# KiCad board ADHW.kicad_pcb
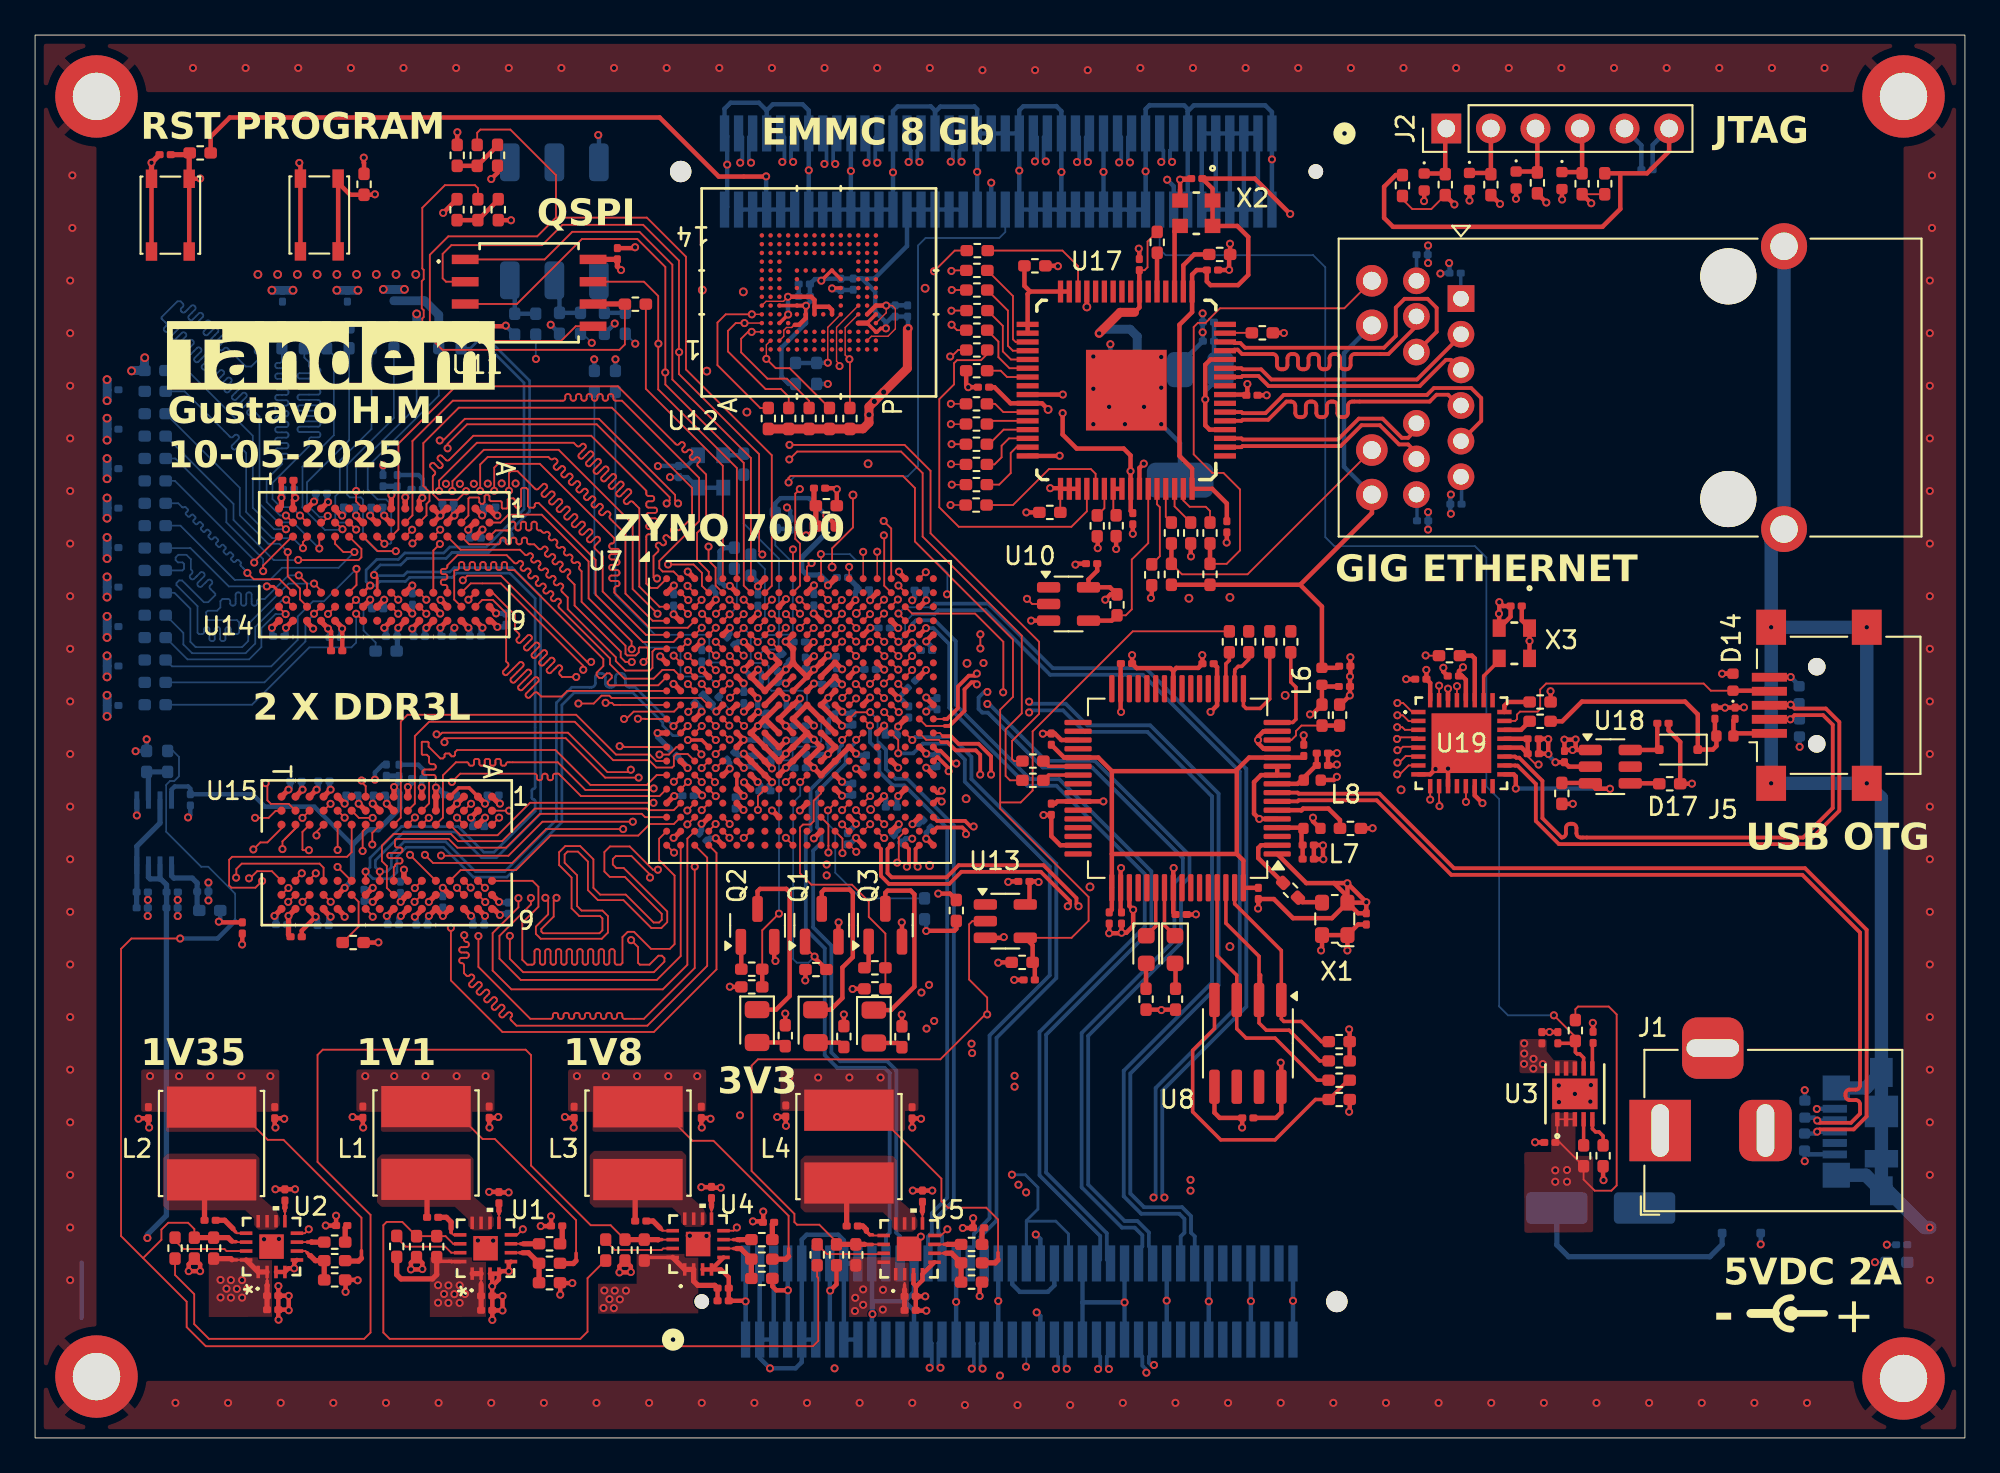
[diagram p0: board, top side]
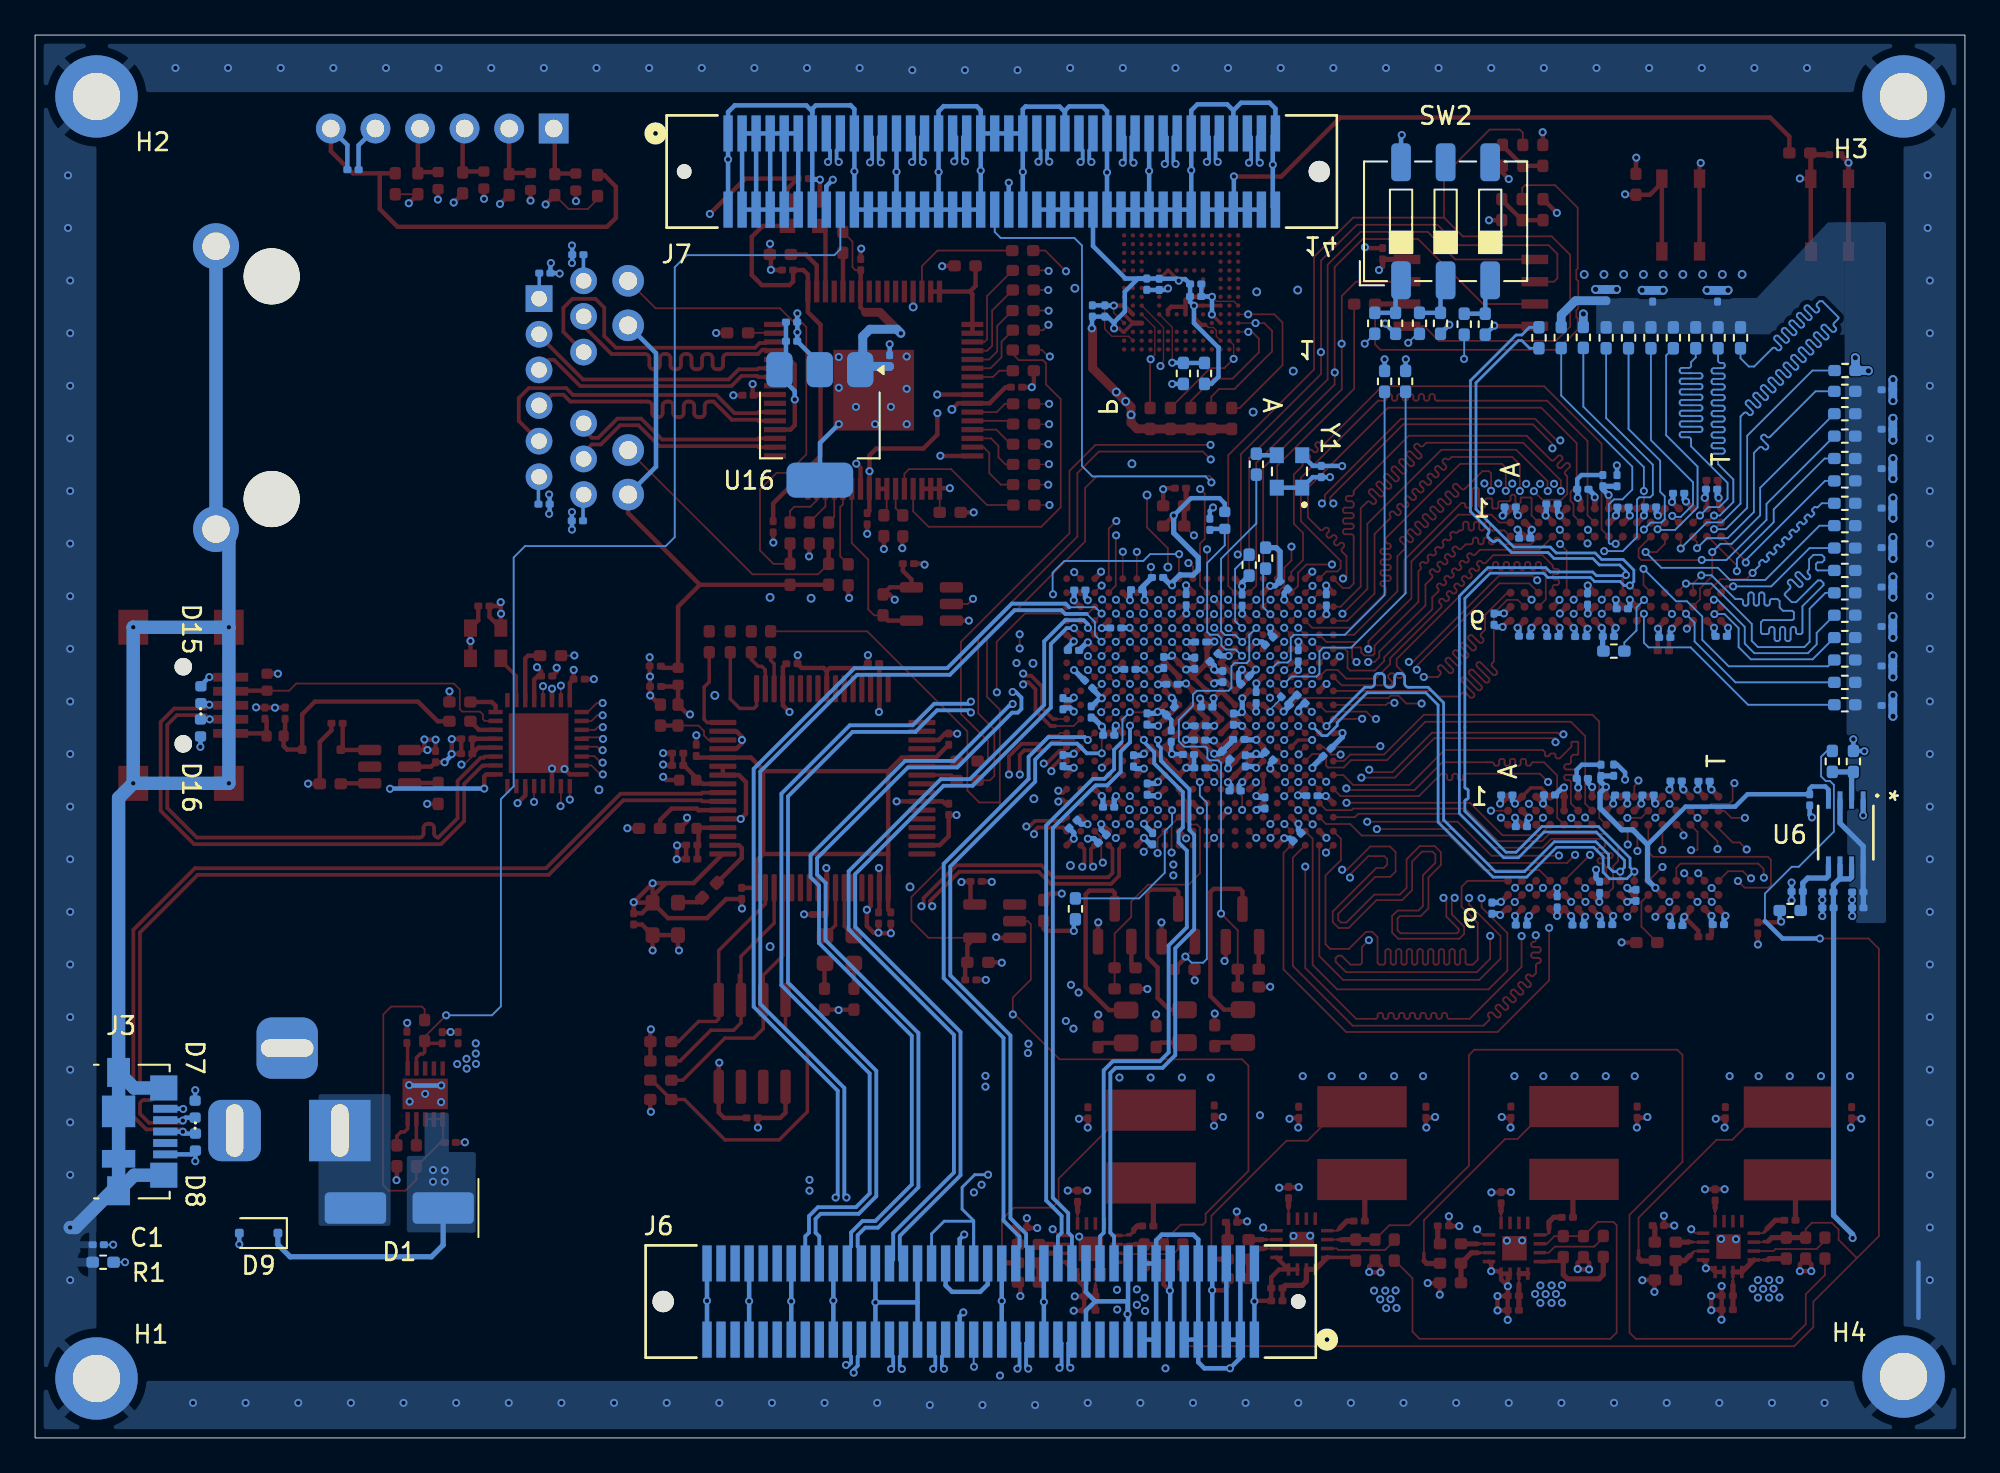
[diagram p1: board, bottom side, seen from below]

Outline 110 x 80 mm; copper layers: Top, In1.Cu, In2.Cu, In3.Cu, In4.Cu, In5.Cu, In6.Cu, In7.Cu, In8.Cu, Bottom. Coordinates in mm from the lower left corner of the outline.
Outline path: rectangle 0,80 110,0
Stack: Top 0.0175mm / dielectric 0.1mm FR4 er 4.45 / In1.Cu 0.035mm / dielectric 0.2035mm FR4 er 4.6 / In2.Cu 0.035mm / dielectric 0.1mm FR4 er 4.74 / In3.Cu 0.035mm / dielectric 0.2035mm FR4 er 4.6 / In4.Cu 0.035mm / dielectric 0.1mm FR4 er 4.74 / In5.Cu 0.035mm / dielectric 0.2035mm FR4 er 4.6 / In6.Cu 0.035mm / dielectric 0.1mm FR4 er 4.74 / In7.Cu 0.035mm / dielectric 0.2035mm FR4 er 4.6 / In8.Cu 0.035mm / dielectric 0.1mm FR4 er 4.45 / Bottom 0.0175mm

## Placement (name value [footprint] x y rotation side)
C1  C  [C_0201_0603Metric]  106.4 11.02 180 bottom
C2  100n  [C_0201_0603Metric]  25.74 8.1 180 top
C3  100n  [C_0201_0603Metric]  13.54 7.31 180 top
C4  100n  [C_0201_0603Metric]  25.74 7.28 180 top
C5  100n  [C_0201_0603Metric]  13.54 8.11 180 top
C6  3n  [C_0201_0603Metric]  26.44 13.7 270 top
C7  3n  [C_0201_0603Metric]  14.24 13.86 270 top
C8  1n  [C_0201_0603Metric]  29.73 12.09 0 top
C9  1n  [C_0201_0603Metric]  17.48 12.11 0 top
C10  22u  [C_0201_0603Metric]  86.34 16.85 180 top
C11  100n  [C_0201_0603Metric]  86.8 22.82 90 top
C12  100n  [C_0201_0603Metric]  88.81 22.84 90 top
C13  100n  [C_0201_0603Metric]  22.66 12.58 180 top
C14  100n  [C_0201_0603Metric]  9.98 12.41 180 top
C15  22u  [C_0201_0603Metric]  25.88 18.57 90 top
C16  22u  [C_0201_0603Metric]  6.46 18.55 90 top
C17  100n  [C_0201_0603Metric]  85.89 22.82 90 top
C18  22u  [C_0201_0603Metric]  18.68 18.57 90 top
C19  22u  [C_0201_0603Metric]  13.66 18.55 90 top
C20  100n  [C_0201_0603Metric]  39.22 7.82 180 top
C21  100n  [C_0201_0603Metric]  49.88 7.27 180 top
C22  100n  [C_0201_0603Metric]  39.22 8.54 180 top
C23  100n  [C_0201_0603Metric]  49.88 8.07 180 top
C24  22u  [C_0201_0603Metric]  7.81 30.23 180 bottom
C25  3n  [C_0201_0603Metric]  38.55 13.99 270 top
C26  3n  [C_0201_0603Metric]  50.58 13.78 270 top
C27  1n  [C_0201_0603Metric]  41.81 12.29 0 top
C28  1n  [C_0201_0603Metric]  53.78 11.98 0 top
C29  4.7u  [C_0201_0603Metric]  9.56 31.16 180 bottom
C30  100n  [C_0201_0603Metric]  34.53 12.37 180 top
C31  100n  [C_0201_0603Metric]  46.58 12.08 180 top
C32  100n  [C_0201_0603Metric]  7.81 31.13 0 bottom
C33  4.7u  [C_0201_0603Metric]  8.85 36.39 90 bottom
C34  22u  [C_0201_0603Metric]  6.11 31.13 180 bottom
C35  22u  [C_0201_0603Metric]  30.72 18.56 90 top
C36  22u  [C_0201_0603Metric]  49.99 18.54 90 top
C37  4.7u  [C_0201_0603Metric]  6.11 30.23 180 bottom
C38  22u  [C_0201_0603Metric]  37.97 18.56 90 top
C39  22u  [C_0201_0603Metric]  42.79 18.64 90 top
C40  100u  [C_0201_0603Metric]  41.69 40.99 90 bottom
C41  100u  [C_0201_0603Metric]  41.2 47.78 270 bottom
C42  100u  [C_0201_0603Metric]  46.02 49.07 180 bottom
C43  100u  [C_0201_0603Metric]  51.41 38.63 90 bottom
C44  100u  [C_0201_0603Metric]  45.29 41.46 135 bottom
C45  4.7u  [C_0201_0603Metric]  42.11 38.94 225 bottom
C46  4.7u  [C_0201_0603Metric]  38.74 42.04 45 bottom
C47  4.7u  [C_0201_0603Metric]  43.56 45.39 0 bottom
C48  4.7u  [C_0201_0603Metric]  48.81 35.97 0 bottom
C49  4.7u  [C_0201_0603Metric]  45.67 44.22 270 bottom
C50  470n  [C_0201_0603Metric]  42.3 43.42 270 bottom
C51  470n  [C_0201_0603Metric]  38.81 48.64 45 bottom
C52  470n  [C_0201_0603Metric]  42.81 44.51 135 bottom
C53  4.7u  [C_0201_0603Metric]  49.16 34.16 135 bottom
C54  470n  [C_0201_0603Metric]  46.61 37 90 bottom
C55  470n  [C_0201_0603Metric]  45.24 40.02 270 bottom
C56  470n  [C_0201_0603Metric]  47.39 38.61 270 bottom
C57  100u  [C_0201_0603Metric]  39.9 36.21 90 bottom
C58  470n  [C_0201_0603Metric]  46.62 41 270 bottom
C59  470n  [C_0201_0603Metric]  41.6 36.9 180 bottom
C60  470n  [C_0201_0603Metric]  46.3 34.17 90 bottom
C61  470n  [C_0201_0603Metric]  48.8 40.07 180 bottom
C62  470n  [C_0201_0603Metric]  50.84 35.01 315 bottom
C63  470n  [C_0201_0603Metric]  47.6 43.83 180 bottom
C64  470n  [C_0201_0603Metric]  49.8 41.4 90 bottom
C65  470n  [C_0201_0603Metric]  51.41 41.87 90 bottom
C67  100u  [C_0201_0603Metric]  43.62 39.8 180 bottom
C68  100u  [C_0201_0603Metric]  47.21 48.37 0 bottom
C69  470n  [C_0201_0603Metric]  36.36 39.1 315 bottom
C70  470n  [C_0201_0603Metric]  41.39 39.83 180 bottom
C71  100u  [C_0201_0603Metric]  43.9 44.18 90 bottom
C72  470n  [C_0201_0603Metric]  38.06 34.26 135 bottom
C73  470n  [C_0201_0603Metric]  43.04 52.1 270 bottom
C74  4.7u  [C_0201_0603Metric]  45.19 42.98 180 bottom
C75  4.7u  [C_0201_0603Metric]  48.4 46.19 180 bottom
C76  4.7u  [C_0201_0603Metric]  50.81 44.91 180 bottom
C77  4.7u  [C_0201_0603Metric]  41.03 43.21 135 bottom
C78  470n  [C_0201_0603Metric]  38 44.6 270 bottom
C79  470n  [C_0201_0603Metric]  43.59 40.61 0 bottom
C80  470n  [C_0201_0603Metric]  43.21 41.68 180 bottom
C81  4.7u  [C_0201_0603Metric]  50.45 48.35 0 bottom
C82  470n  [C_0201_0603Metric]  44.26 38.97 0 bottom
C83  470n  [C_0201_0603Metric]  36.4 47.79 270 bottom
C84  100u  [C_0201_0603Metric]  49.95 42.98 225 bottom
C85  4.7u  [C_0201_0603Metric]  37.22 36.62 180 bottom
C86  470n  [C_0201_0603Metric]  44.39 47.8 270 bottom
C87  100u  [C_0201_0603Metric]  39.65 45.44 135 bottom
C88  470n  [C_0201_0603Metric]  43.61 38.21 180 bottom
C89  100n  [C_0201_0603Metric]  91.88 72.32 180 bottom
C90  4.7u  [C_0201_0603Metric]  74.65 44.01 0 top
C91  0.1u  [C_0201_0603Metric]  69.12 18.25 180 top
C92  0.1u  [C_0201_0603Metric]  75.88 29.6 90 top
C93  4.7u  [C_0201_0603Metric]  74.63 42.85 0 top
C94  4.7u  [C_0201_0603Metric]  72.57 33.81 0 top
C95  4.7u  [C_0201_0603Metric]  73.38 38.35 0 top
C96  100n  [C_0201_0603Metric]  61.92 29.65 270 top
C97  0.1u  [C_0201_0603Metric]  72.57 33.01 0 top
C98  0.1u  [C_0201_0603Metric]  73.38 39.05 0 top
C99  4.7u  [C_0201_0603Metric]  61.22 29.65 270 top
C100  100n  [C_0201_0603Metric]  69.72 31.05 270 top
C101  100n  [C_0201_0603Metric]  57.92 39.85 90 top
C102  100n  [C_0201_0603Metric]  72.31 39.21 90 top
C103  100n  [C_0201_0603Metric]  57.92 35.85 270 top
C104  100n  [C_0201_0603Metric]  65.32 29.85 0 top
C105  100n  [C_0201_0603Metric]  62.21 44.16 0 top
C106  100n  [C_0201_0603Metric]  66.86 44.15 180 top
C107  100n  [C_0201_0603Metric]  44.72 54.16 0 top
C108  100n  [C_0201_0603Metric]  60.22 49.86 180 top
C109  100n  [C_0201_0603Metric]  7.42 73.18 180 top
C110  100n  [C_0201_0603Metric]  33.19 67.53 90 top
C111  4.7u  [C_0201_0603Metric]  43.84 65.8 180 bottom
C112  4.7u  [C_0201_0603Metric]  46.64 65.79 270 bottom
C113  4.7u  [C_0201_0603Metric]  49.73 64.26 90 bottom
C114  100n  [C_0201_0603Metric]  56.67 26.12 180 top
C115  100n  [C_0201_0603Metric]  45.92 65.78 270 bottom
C116  100n  [C_0201_0603Metric]  49.03 64.26 90 bottom
C117  100n  [C_0201_0603Metric]  56.36 31.74 180 top
C118  100n  [C_0201_0603Metric]  43.84 65.09 180 bottom
C119  100n  [C_0201_0603Metric]  36.69 55.11 90 bottom
C120  4.7u  [C_0201_0603Metric]  4.43 46.27 180 bottom
C121  4.7u  [C_0201_0603Metric]  14.1 65.12 90 bottom
C122  4.7u  [C_0201_0603Metric]  4.43 59.77 180 bottom
C123  4.7u  [C_0201_0603Metric]  4.43 53.02 180 bottom
C124  470n  [C_0201_0603Metric]  4.43 44.02 180 bottom
C125  470n  [C_0201_0603Metric]  4.43 57.52 180 bottom
C126  470n  [C_0201_0603Metric]  4.43 50.77 180 bottom
C127  470n  [C_0201_0603Metric]  20.45 65.17 90 bottom
C128  47n  [C_0201_0603Metric]  4.43 41.77 180 bottom
C129  47n  [C_0201_0603Metric]  17.8 65.12 90 bottom
C130  47n  [C_0201_0603Metric]  4.43 55.27 180 bottom
C131  47n  [C_0201_0603Metric]  4.43 48.52 180 bottom
C132  47n  [C_0201_0603Metric]  40.4 42.22 270 bottom
C133  47n  [C_0201_0603Metric]  41.02 38.61 90 bottom
C134  4.7u  [C_0201_0603Metric]  26.84 46.69 270 bottom
C135  4.7u  [C_0201_0603Metric]  37.83 42.14 45 bottom
C136  470n  [C_0201_0603Metric]  21.51 47.84 270 bottom
C137  470n  [C_0201_0603Metric]  39.65 38.89 45 bottom
C138  47n  [C_0201_0603Metric]  14.44 54.1 180 bottom
C139  47n  [C_0201_0603Metric]  17.11 45.65 0 bottom
C140  47n  [C_0201_0603Metric]  16.32 53.87 180 bottom
C141  47n  [C_0201_0603Metric]  14.88 28.58 0 top
C142  47n  [C_0201_0603Metric]  17.92 53.09 180 bottom
C143  47n  [C_0201_0603Metric]  13.89 45.71 180 bottom
C144  47n  [C_0201_0603Metric]  25.09 51.31 0 bottom
C145  47n  [C_0201_0603Metric]  19.53 47.28 0 bottom
C146  47n  [C_0201_0603Metric]  19.49 53.08 180 bottom
C147  47n  [C_0201_0603Metric]  21.9 45.7 180 bottom
C148  47n  [C_0201_0603Metric]  21.78 54.1 180 bottom
C149  47n  [C_0201_0603Metric]  20.32 45.7 0 bottom
C150  47n  [C_0201_0603Metric]  23.54 53.26 180 bottom
C151  47n  [C_0201_0603Metric]  25.1 45.72 0 bottom
C152  47n  [C_0201_0603Metric]  25.92 53.09 180 bottom
C153  47n  [C_0201_0603Metric]  23.49 45.71 0 bottom
C154  47n  [C_0201_0603Metric]  20.64 54.59 270 bottom
C155  47n  [C_0201_0603Metric]  19.83 54.59 90 bottom
C156  4.7u  [C_0201_0603Metric]  20.82 31.4 270 bottom
C157  4.7u  [C_0201_0603Metric]  11.81 29.08 270 top
C158  470n  [C_0201_0603Metric]  14.41 54.61 180 top
C159  470n  [C_0201_0603Metric]  17.19 44.89 0 top
C160  47n  [C_0201_0603Metric]  18.75 30.94 270 bottom
C161  47n  [C_0201_0603Metric]  14.87 37.45 180 bottom
C162  47n  [C_0201_0603Metric]  14.05 29.27 180 bottom
C163  47n  [C_0201_0603Metric]  16.46 37.46 180 bottom
C164  47n  [C_0201_0603Metric]  16.42 29.22 180 bottom
C165  47n  [C_0201_0603Metric]  18.06 36.66 180 bottom
C166  47n  [C_0201_0603Metric]  20.42 29.27 0 bottom
C167  47n  [C_0201_0603Metric]  19.62 36.66 180 bottom
C168  47n  [C_0201_0603Metric]  22.05 29.25 180 bottom
C169  47n  [C_0201_0603Metric]  21.81 37.61 180 bottom
C170  47n  [C_0201_0603Metric]  23.24 30.57 90 bottom
C171  47n  [C_0201_0603Metric]  23.68 36.67 180 bottom
C172  47n  [C_0201_0603Metric]  25.28 29.25 0 bottom
C173  47n  [C_0201_0603Metric]  25.28 34.86 0 bottom
C174  47n  [C_0201_0603Metric]  26.96 30.21 270 bottom
C175  47n  [C_0201_0603Metric]  26.11 36.66 180 bottom
C176  47n  [C_0201_0603Metric]  20.75 38.07 270 bottom
C177  47n  [C_0201_0603Metric]  20.02 38.08 90 bottom
C178  22u  [C_0201_0603Metric]  61.29 61.42 90 bottom
C179  10u  [C_0201_0603Metric]  66.88 63.63 180 bottom
C180  C  [C_0201_0603Metric]  66.88 62.54 180 bottom
C181  C  [C_0201_0603Metric]  62.57 52.42 270 top
C182  C  [C_0201_0603Metric]  62.94 66.91 90 top
C183  C  [C_0201_0603Metric]  69.36 59.46 0 top
C184  C  [C_0201_0603Metric]  67.11 66.6 0 top
C185  C  [C_0201_0603Metric]  54.06 59.92 180 top
C186  C  [C_0201_0603Metric]  67.93 51.96 270 top
C187  100n  [C_0201_0603Metric]  79.09 52.3 0 bottom
C188  100n  [C_0201_0603Metric]  80.99 53.25 180 bottom
C189  100n  [C_0201_0603Metric]  80.94 66.43 180 bottom
C190  100n  [C_0201_0603Metric]  66.21 71.81 180 top
C191  100n  [C_0201_0603Metric]  79.06 67.48 0 bottom
C192  4.7u  [C_0201_0603Metric]  96.9 41.33 90 top
C193  4.7u  [C_0201_0603Metric]  95.75 41.33 90 top
C194  4.7u  [C_0201_0603Metric]  87.17 38.85 270 top
C195  C  [C_0201_0603Metric]  80.84 43.45 180 top
C196  C  [C_0201_0603Metric]  78.99 43.27 180 top
C197  C  [C_0201_0603Metric]  85.4 39.02 0 top
C198  4.7u  [C_0201_0603Metric]  92.79 40.75 0 top
C199  C  [C_0201_0603Metric]  85.39 39.87 0 top
C200  100n  [C_0201_0603Metric]  84.42 47.44 180 top
D1  SS18  [D_SMA_Handsoldering]  89.24 13.11 0 bottom
D2  LED  [LED_0805_2012Metric]  44.48 23.48 270 top
D3  CG0402MLU-3.3G  [D_0402_1005Metric]  79.18 71.62 270 top
D4  CG0402MLU-3.3G  [D_0402_1005Metric]  81.76 71.65 270 top
D5  CG0402MLU-3.3G  [D_0402_1005Metric]  84.42 71.73 270 top
D6  CG0402MLU-3.3G  [D_0402_1005Metric]  87.03 71.7 270 top
D7  CG0402MLU-3.3G  [D_0402_1005Metric]  100.88 18.75 90 bottom
D8  CG0402MLU-3.3G  [D_0402_1005Metric]  100.86 16.87 270 bottom
D9  PMEG1030EJ  [D_SOD-323F]  97.26 11.68 0 bottom
D10  LED  [D_0603_1608Metric]  63.33 27.85 270 top
D11  LED  [D_0603_1608Metric]  64.97 27.85 270 top
D12  LED  [LED_0805_2012Metric]  41.15 23.49 270 top
D13  LED  [LED_0805_2012Metric]  47.81 23.46 270 top
D14  CG0402MLU-3.3G  [D_0402_1005Metric]  96.78 43.1 90 top
D15  CG0402MLU-3.3G  [D_0402_1005Metric]  100.55 42.38 90 bottom
D16  CG0402MLU-3.3G  [D_0402_1005Metric]  100.57 40.49 270 bottom
D17  PMEG1030EJ  [D_SOD-323F]  93.67 39.25 180 top
H1  M3  [MountingHole_2.7mm_M2.5_DIN965_Pad]  106.5 3.39 0 top
H2  M3  [MountingHole_2.7mm_M2.5_DIN965_Pad]  106.5 76.5 270 top
H3  M3  [MountingHole_2.7mm_M2.5_DIN965_Pad]  3.5 76.5 0 top
H4  M3  [MountingHole_2.7mm_M2.5_DIN965_Pad]  3.5 3.5 0 top
J1  Barrel_Jack_MountingPin  [BarrelJack_Horizontal]  92.63 17.53 180 top
J2  Conn_01x06_Pin  [PinHeader_1x06_P2.54mm_Vertical]  80.44 74.67 90 top
J3  USB_B_Micro  [USB_Micro-B_Molex_47346-0001]  104.04 17.47 270 bottom
J4  RJ45_JK0654219  [RJ45_Pulse_JK0654219NL_Horizontal]  81.28 64.97 0 top
J5  USB4125-GF-A  [USB_Mini-B_Lumberg_2486_01_Horizontal]  101.56 41.78 90 top
J6  10144518-082802LF  [CONN_10144518_AMP]  40.5 5.61 0 bottom
J7  10144518-082802LF  [CONN_10144518_AMP]  70.5 74.39 180 bottom
L1  SRN6045TA-1R5Y  [IND_SRN6045TA-1R5Y]  22.28 16.82 90 top
L2  SRN6045TA-1R5Y  [IND_SRN6045TA-1R5Y]  10.06 16.79 90 top
L3  SRN6045TA-1R5Y  [IND_SRN6045TA-1R5Y]  34.36 16.81 90 top
L4  SRN6045TA-1R5Y  [IND_SRN6045TA-1R5Y]  46.39 16.61 90 top
L5  120R  [L_0402_1005Metric]  42.19 52.32 270 bottom
L6  120R  [L_0402_1005Metric]  73.35 43.43 270 top
L7  120R  [L_0402_1005Metric]  72.78 34.76 180 top
L8  120R  [L_0402_1005Metric]  72.8 37.51 180 top
L9  120R  [L_0402_1005Metric]  96.32 40.03 0 top
Q1  T2N7002AK  [SOT-23]  44.84 29.24 90 top
Q2  T2N7002AK  [SOT-23]  41.18 29.23 90 top
Q3  T2N7002AK  [SOT-23]  48.46 29.24 90 top
R1  R  [R_0402_1005Metric_Pad0.72x0.64mm_HandSolder]  106.12 10.02 180 bottom
R2  4.7k  [R_0402_1005Metric_Pad0.72x0.64mm_HandSolder]  20.61 10.92 90 top
R3  4.7k  [R_0402_1005Metric_Pad0.72x0.64mm_HandSolder]  7.98 10.82 90 top
R4  300k  [R_0402_1005Metric_Pad0.72x0.64mm_HandSolder]  29.32 11.07 0 top
R5  300k  [R_0402_1005Metric_Pad0.72x0.64mm_HandSolder]  17.08 11.17 0 top
R6  100k  [R_0402_1005Metric_Pad0.72x0.64mm_HandSolder]  87.8 23.23 270 top
R7  50k  [R_0402_1005Metric_Pad0.72x0.64mm_HandSolder]  22.89 10.91 90 top
R8  50k  [R_0402_1005Metric_Pad0.72x0.64mm_HandSolder]  10.18 10.82 90 top
R9  37.5k  [R_0402_1005Metric_Pad0.72x0.64mm_HandSolder]  29.32 9.96 180 top
R10  100k  [R_0402_1005Metric_Pad0.72x0.64mm_HandSolder]  29.32 8.85 0 top
R11  68.75k  [R_0402_1005Metric_Pad0.72x0.64mm_HandSolder]  17.08 10.11 180 top
R12  100k  [R_0402_1005Metric_Pad0.72x0.64mm_HandSolder]  17.08 9.01 0 top
R13  4.7k  [R_0402_1005Metric_Pad0.72x0.64mm_HandSolder]  89.38 16.09 270 top
R14  12k  [R_0402_1005Metric_Pad0.72x0.64mm_HandSolder]  88.27 16.09 270 top
R15  4.7k  [R_0402_1005Metric_Pad0.72x0.64mm_HandSolder]  32.53 10.71 90 top
R16  4.7k  [R_0402_1005Metric_Pad0.72x0.64mm_HandSolder]  44.58 10.44 90 top
R17  300k  [R_0402_1005Metric_Pad0.72x0.64mm_HandSolder]  41.42 11.31 0 top
R18  300k  [R_0402_1005Metric_Pad0.72x0.64mm_HandSolder]  53.38 11.04 0 top
R19  12k  [R_0402_1005Metric_Pad0.72x0.64mm_HandSolder]  7.56 38.58 90 bottom
R20  100k  [R_0402_1005Metric_Pad0.72x0.64mm_HandSolder]  6.36 38.58 270 bottom
R21  1k  [R_0402_1005Metric_Pad0.72x0.64mm_HandSolder]  9.96 30.08 180 bottom
R22  50k  [R_0402_1005Metric_Pad0.72x0.64mm_HandSolder]  34.72 10.71 90 top
R23  50k  [R_0402_1005Metric_Pad0.72x0.64mm_HandSolder]  46.78 10.44 90 top
R24  125k  [R_0402_1005Metric_Pad0.72x0.64mm_HandSolder]  41.42 10.19 180 top
R25  100k  [R_0402_1005Metric_Pad0.72x0.64mm_HandSolder]  41.42 9.09 0 top
R26  312.5k  [R_0402_1005Metric_Pad0.72x0.64mm_HandSolder]  53.38 9.98 180 top
R27  100k  [R_0402_1005Metric_Pad0.72x0.64mm_HandSolder]  53.38 8.88 0 top
R28  4.7k  [R_0402_1005Metric_Pad0.72x0.64mm_HandSolder]  77.94 71.42 90 top
R29  510  [R_0402_1005Metric_Pad0.72x0.64mm_HandSolder]  46.1 22.89 270 top
R30  4.7k  [R_0402_1005Metric_Pad0.72x0.64mm_HandSolder]  89.47 71.52 90 top
R31  4.7k  [R_0402_1005Metric_Pad0.72x0.64mm_HandSolder]  44.51 26.71 180 top
R32  4.7k  [R_0402_1005Metric_Pad0.72x0.64mm_HandSolder]  52.51 30.08 270 top
R33  4.7k  [R_0402_1005Metric_Pad0.72x0.64mm_HandSolder]  18.75 71.49 90 top
R34  22  [R_0402_1005Metric_Pad0.72x0.64mm_HandSolder]  80.38 71.47 270 top
R35  22  [R_0402_1005Metric_Pad0.72x0.64mm_HandSolder]  82.98 71.47 270 top
R36  22  [R_0402_1005Metric_Pad0.72x0.64mm_HandSolder]  85.63 71.57 270 top
R37  22  [R_0402_1005Metric_Pad0.72x0.64mm_HandSolder]  88.18 71.52 270 top
R38  20k  [R_0402_1005Metric_Pad0.72x0.64mm_HandSolder]  33.64 63.56 90 bottom
R39  20k  [R_0402_1005Metric_Pad0.72x0.64mm_HandSolder]  31.09 63.56 90 bottom
R40  20k  [R_0402_1005Metric_Pad0.72x0.64mm_HandSolder]  28.54 63.51 90 bottom
R41  1k  [R_0402_1005Metric_Pad0.72x0.64mm_HandSolder]  32.45 63.56 90 bottom
R42  1k  [R_0402_1005Metric_Pad0.72x0.64mm_HandSolder]  29.89 63.56 90 bottom
R43  1k  [R_0402_1005Metric_Pad0.72x0.64mm_HandSolder]  27.34 63.51 90 bottom
R44  20k  [R_0402_1005Metric_Pad0.72x0.64mm_HandSolder]  25.2 73.14 270 top
R45  0R  [R_0402_1005Metric_Pad0.72x0.64mm_HandSolder]  26.36 73.14 270 top
R46  1k  [R_0402_1005Metric_Pad0.72x0.64mm_HandSolder]  24.06 73.14 270 top
R47  20k  [R_0402_1005Metric_Pad0.72x0.64mm_HandSolder]  25.24 70.04 270 top
R48  0R  [R_0402_1005Metric_Pad0.72x0.64mm_HandSolder]  26.4 70.04 270 top
R49  1k  [R_0402_1005Metric_Pad0.72x0.64mm_HandSolder]  24.05 70.04 270 top
R50  12kR  [R_0402_1005Metric_Pad0.72x0.64mm_HandSolder]  73.35 41.22 90 top
R51  12kR  [R_0402_1005Metric_Pad0.72x0.64mm_HandSolder]  74.35 41.22 270 top
R52  220R  [R_0402_1005Metric_Pad0.72x0.64mm_HandSolder]  71.56 31.23 135 top
R53  12kR  [R_0402_1005Metric_Pad0.72x0.64mm_HandSolder]  74.33 22.6 0 top
R54  12kR  [R_0402_1005Metric_Pad0.72x0.64mm_HandSolder]  74.33 21.5 0 top
R55  12kR  [R_0402_1005Metric_Pad0.72x0.64mm_HandSolder]  74.34 19.3 0 top
R56  2.49kR  [R_0402_1005Metric_Pad0.72x0.64mm_HandSolder]  74.33 20.4 180 top
R57  12kR  [R_0402_1005Metric_Pad0.72x0.64mm_HandSolder]  74.97 34.76 180 top
R58  510R  [R_0402_1005Metric_Pad0.72x0.64mm_HandSolder]  63.33 25.02 270 top
R59  22R  [R_0402_1005Metric_Pad0.72x0.64mm_HandSolder]  71.57 45.4 270 top
R60  22R  [R_0402_1005Metric_Pad0.72x0.64mm_HandSolder]  70.38 45.4 270 top
R61  22R  [R_0402_1005Metric_Pad0.72x0.64mm_HandSolder]  69.18 45.4 270 top
R62  22R  [R_0402_1005Metric_Pad0.72x0.64mm_HandSolder]  68.07 45.4 270 top
R63  22R  [R_0402_1005Metric_Pad0.72x0.64mm_HandSolder]  56.88 38.6 0 top
R64  22R  [R_0402_1005Metric_Pad0.72x0.64mm_HandSolder]  56.88 37.5 0 top
R65  510R  [R_0402_1005Metric_Pad0.72x0.64mm_HandSolder]  65 25.02 270 top
R66  20k  [R_0402_1005Metric_Pad0.72x0.64mm_HandSolder]  39.86 50.17 90 bottom
R67  22  [R_0402_1005Metric_Pad0.72x0.64mm_HandSolder]  53.7 67.71 0 top
R68  22  [R_0402_1005Metric_Pad0.72x0.64mm_HandSolder]  53.68 63.17 0 top
R69  22  [R_0402_1005Metric_Pad0.72x0.64mm_HandSolder]  53.69 64.29 0 top
R70  22  [R_0402_1005Metric_Pad0.72x0.64mm_HandSolder]  53.68 65.46 0 top
R71  22  [R_0402_1005Metric_Pad0.72x0.64mm_HandSolder]  53.68 66.58 0 top
R72  22  [R_0402_1005Metric_Pad0.72x0.64mm_HandSolder]  53.68 62.04 0 top
R73  100k  [R_0402_1005Metric_Pad0.72x0.64mm_HandSolder]  40.85 25.72 180 top
R74  12k  [R_0402_1005Metric_Pad0.72x0.64mm_HandSolder]  40.85 26.73 180 top
R75  12k  [R_0402_1005Metric_Pad0.72x0.64mm_HandSolder]  45.1 52 0 top
R76  12k  [R_0402_1005Metric_Pad0.72x0.64mm_HandSolder]  45.1 53.16 180 top
R77  68k  [R_0402_1005Metric_Pad0.72x0.64mm_HandSolder]  44.12 58.13 270 top